# Allegro board GPS_INTERFACE_BOARDv34_test.brd (continued)
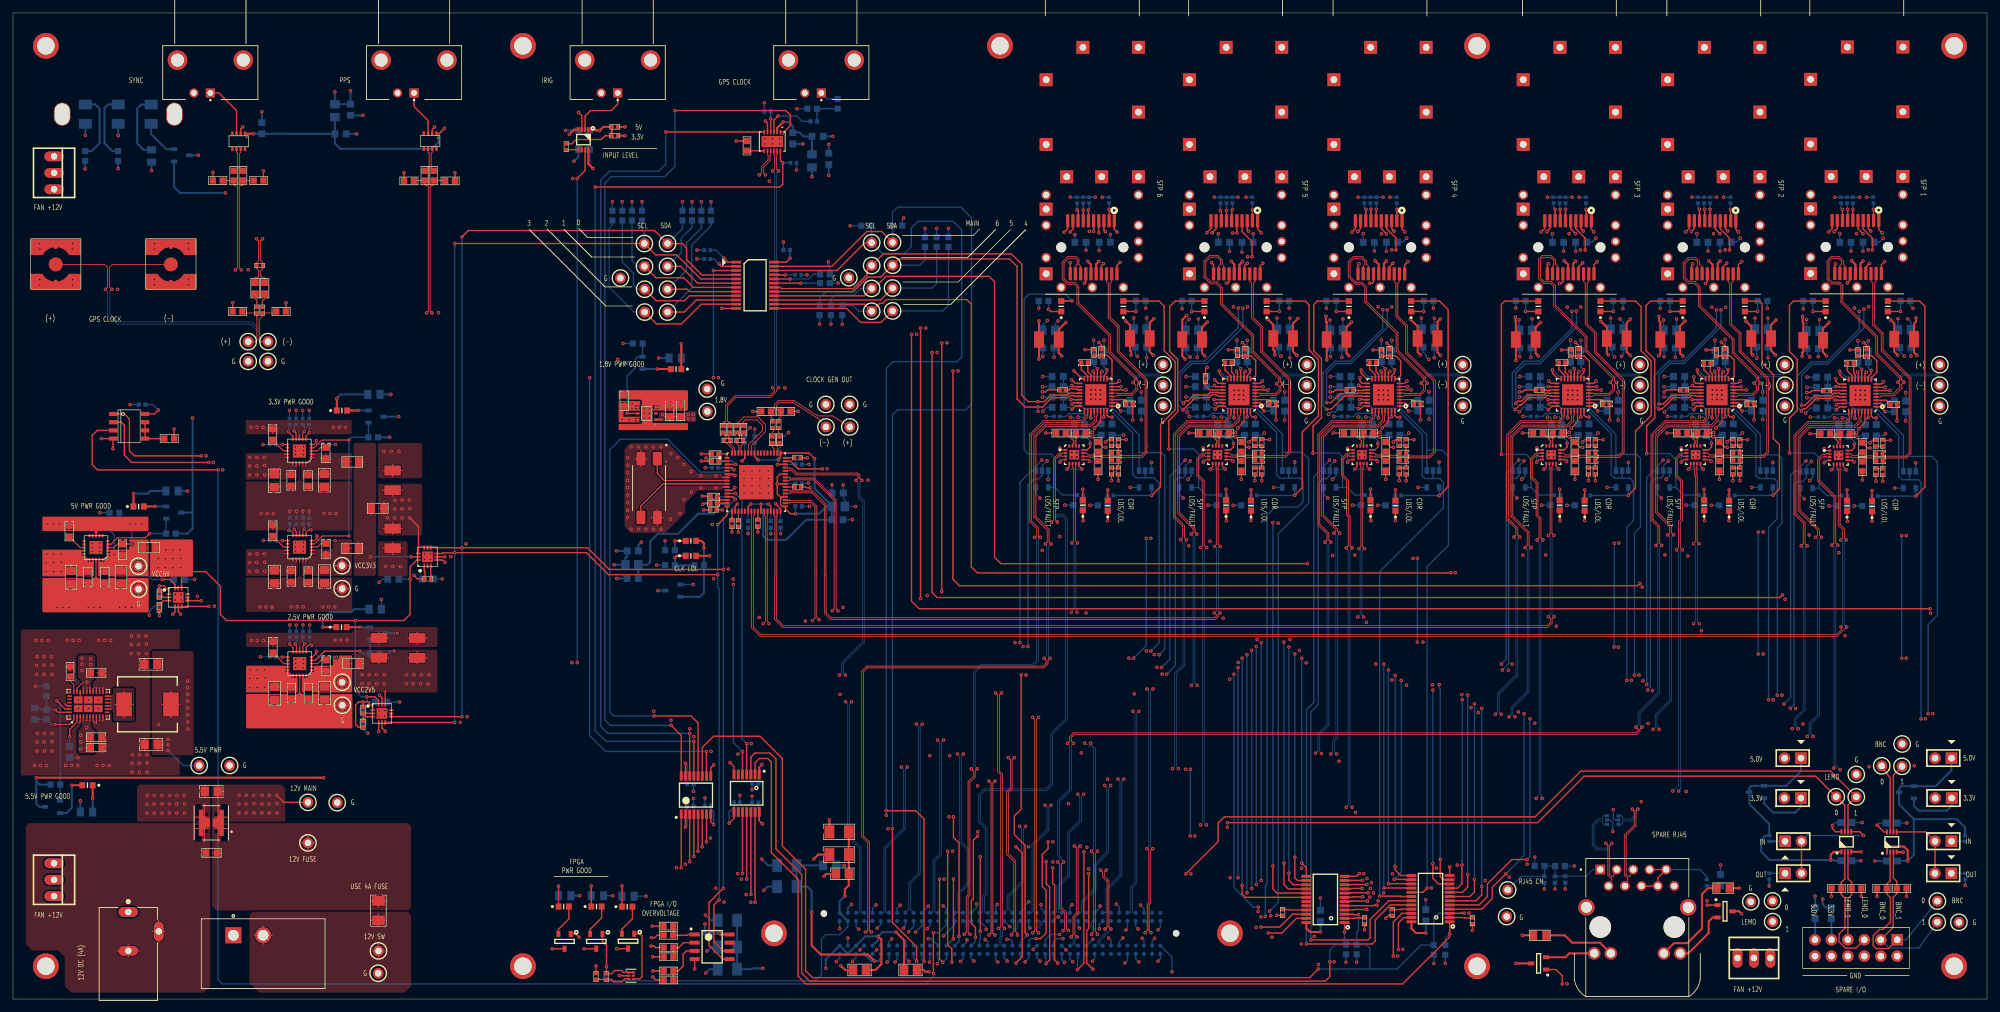
[diagram p0: board, top side]
## Copper pours and planes (outline as drawn; the poured copper is in the pictures) (continued)
N185241 on TOP: 52.2,84.38 45.8,84.38 45.77,84.35 45.77,83.19 45.75,83.16 44.58,83.16 44.55,83.13 44.55,80.34 44.63,80.26 52.2,80.26 52.32,80.39 52.32,84.25
N334392 on TOP: 95.28,85.9 101.14,85.9 105.79,81.25 109.37,81.25 109.86,80.77 109.86,78.99 109.83,78.97 109.7,78.97 109.35,78.61 105.84,78.61 103.78,76.56 103.78,75.13 100.71,72.06 95.38,72.06 94.44,73 94.44,85.06
N334392 on GND1: 101.14,85.9 95.28,85.9 94.44,85.06 94.44,73 95.38,72.06 101.12,72.06 103.78,74.73 103.78,76.56 105.84,78.61 109.42,78.61 109.7,78.89 111.15,78.89 111.3,79.04 111.3,80.67 111.1,80.87 109.75,80.87 109.37,81.25 105.79,81.25

## Text on the board
Ref Des/Silkscreen Bottom: LIGHT BAR | LPF-C031-303S | FMC CONN | 5.0V | 3.3V | 2.5V
Ref Des/Silkscreen Top: 5.5V PWR GOOD | FAN +12V | (+) | 5V PWR GOOD | GPS CLOCK | SYNC | G | VCC5V | (-) | 5.5V PWR | 3.3V PWR GOOD | 2.5V PWR GOOD | 12V FUSE | 12V MAIN | PPS | USE 4A FUSE | VCC2V5 | VCC3V3 | 12V SW | 3 | IRIG | 2 | PWR GOOD | 1 | FPGA | 0 | 1.8V PWR GOOD | INPUT LEVEL | 3.3V | 5V | SCL | OVERVOLTAGE | FPGA I/O | SDA | CLK LOL | 1.8V | CLOCK GEN OUT | MAIN | 6 | 5 | 4 | RJ45 CM | SPARE RJ45 | LEMO | 5.0V | OUT | IN | SPARE I/O | GND | BNC | 12V DC (4A) | LOS/FAULT | SFP | LOS/LOL | CDR | SFP 6 | SFP 5 | SFP 4 | SFP 3 | SFP 2 | LEMO_1 | LEMO_0 | BNC_0 | BNC_1 | SFP 1
